# Altium PCB 51main.PcbDoc
Units mil, origin at the board's own origin, x right, y up, seen from the top; angles counter-clockwise.
Board outline 3219.18 x 1346.96 mil, 2 copper layers (Top Layer, Bottom Layer); 46 components, 33 nets, 187 pads, 75 vias.
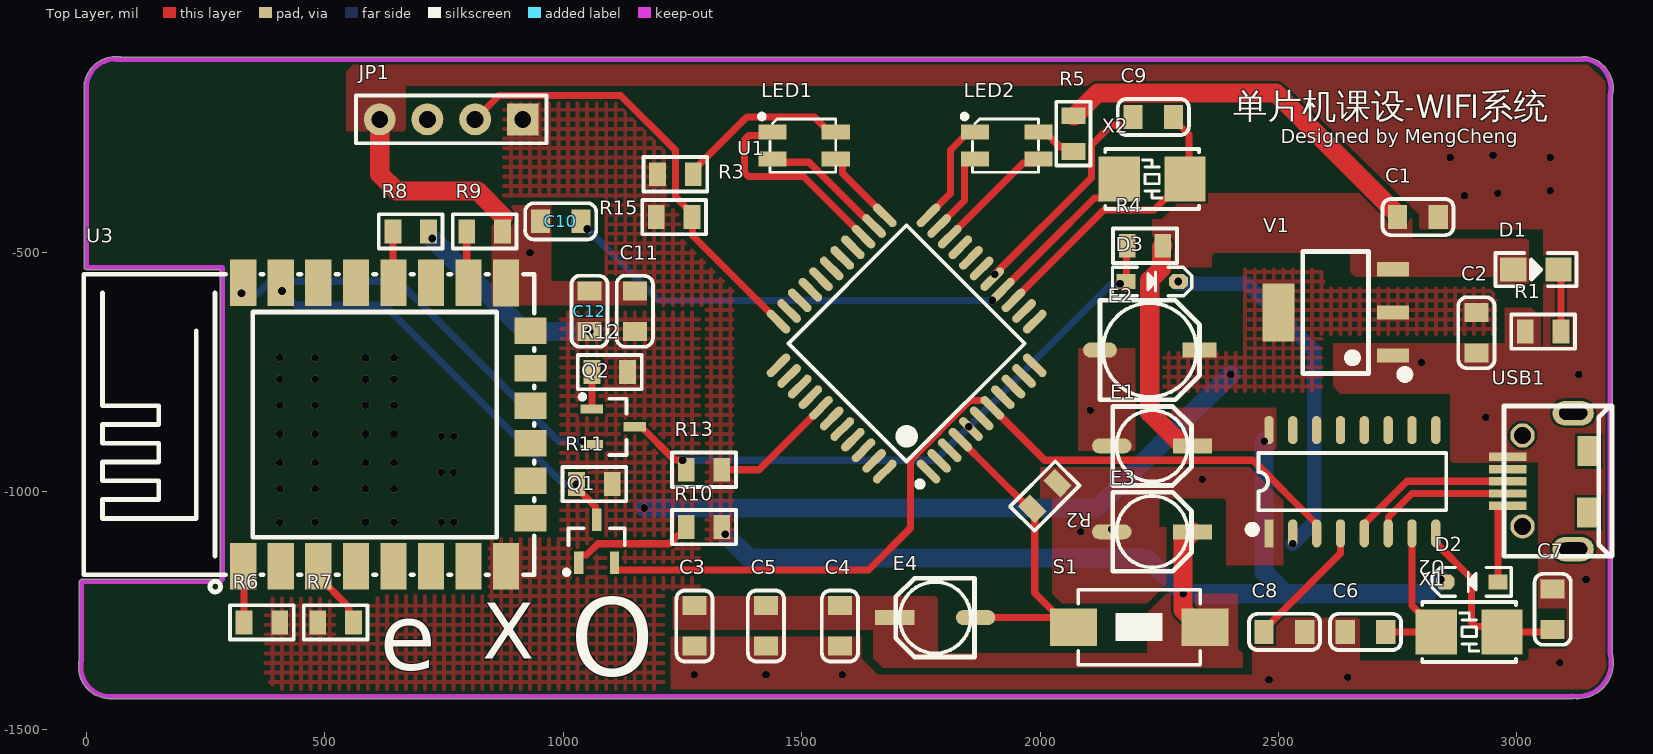
[diagram p0: Top Layer view]
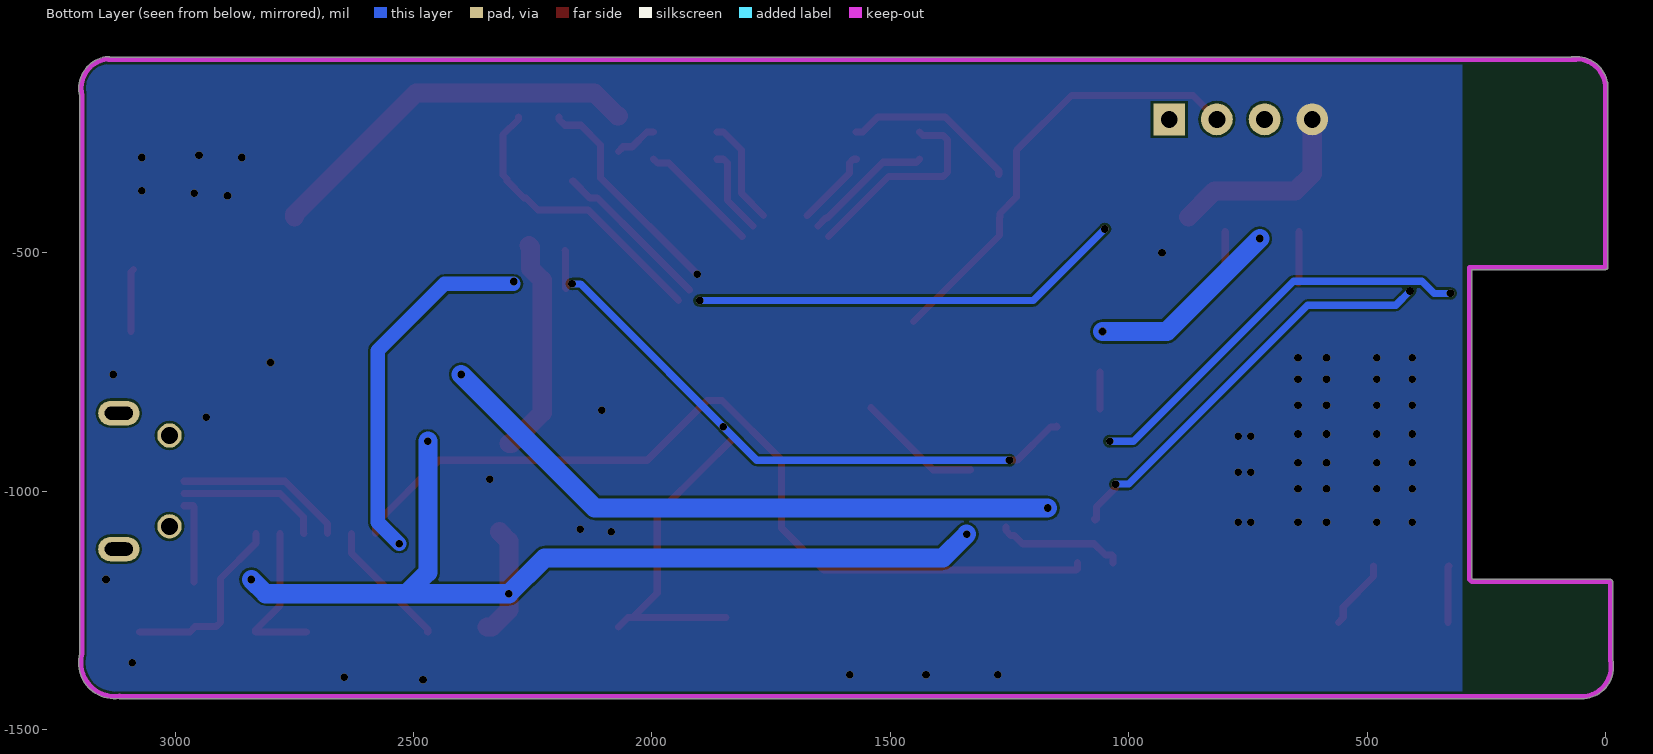
[diagram p1: Bottom Layer view, seen from below]

## Layer stack, top to bottom
Top Solder: solder mask 0.4, Solder Resist, Dk 3.5
Top Layer: signal copper 1.4
Dielectric 1: dielectric 12.6, FR-4, Dk 4.8
Bottom Layer: signal copper 1.4
Bottom Solder: solder mask 0.4, Solder Resist, Dk 3.5

## Board outline
-14.88,-1352.76 -14.88,-1351.16 cw(c-10,-1350) -15.01,-1350 -15.01,-1190 cw(c-10,-1190) -10,-1184.99 277.92,-1184.99 279.99,-1182.92 279.99,-535.01 0,-535.01 cw(c0,-530) -5.01,-530 -5.01,-150 cw(c0,-150) -5,-149.58 cw(c61.63,-155.14) 60.08,-88.29 cw(c60.19,-93.31) 60.19,-88.29 68.31,-88.29 cw(c68.31,-93.31) 72.06,-89.98 3136.58,-89.98 cw(c3140.27,-93.38) 3140.7,-88.38 cw(c3135,-155) 3201.86,-155 cw(c3135,-155) 3200.02,-170.61 3200.02,-1340.36 cw(c3126.75,-1359.52) 3202.48,-1359.52 cw(c3126.75,-1359.52) 3116.96,-1434.61 cw(c3115,-1430) 3115,-1435.01 45,-1435.01 cw(c45,-1430) 44.58,-1435 cw(c50.14,-1368.37)

## Design rules (kind name [scope] priority, off if disabled: settings)
Clearance [All] p1: gap=5 ignorepadtopadclearanceinfootprint=FALSE
PlaneConnect [All] p1: planeconnectstyle=Direct reliefexpansion=20 reliefentries=4 reliefconductorwidth=10 reliefairgap=10
PolygonConnect [All] p1: connectstyle=Direct reliefconductorwidth=10 reliefentries=4 polygonreliefangle="90 Angle" airgapwidth=10
RoutingVias [All] p1: holewidth=28 width=50 viastyle="Through Hole" minholewidth=28 minwidth=50 maxholewidth=28 maxwidth=50
SolderMaskExpansion [All] p1: expansion=4 istentingtop=FALSE
Width GND [InNet('GND')] p1: maxlimit=45 minlimit=10 preferedwidth=40
Width VCC_3V3 [InNet('+3.3')] p2: maxlimit=40 minlimit=10 preferedwidth=25
Width VCC_5V [InNet('+5')] p3: maxlimit=40 minlimit=10 preferedwidth=30
Width signal [All] p4: maxlimit=30 minlimit=10 preferedwidth=15
29 further rules are at their usual default settings.

## Components (designator, comment, footprint, x,y, rotation, side; value= is the part's Value field where it differs from the comment)
C1 "100nF" 0805C 2835,-425 r180 top
C2 "100nF" 0805C 2915,-710 r90 top
C3 "100nF" 0805C 1275,-1325 r90 top
C4 "100nF" 0805C 1580,-1325 r90 top
C5 "100nF" 0805C 1425,-1325 r90 top
C6 "22PF" 0805C 2725,-1295 r180 top
C7 "22PF" 0805C 3075,-1290 r90 top
C8 "10nF" 0805C 2555,-1295 r180 top
C9 "22PF" 0805C 2195,-215 r0 top
C10 "22PF" 0805C 952.07,-433.77 r0 top
C11 "100nF" 0805C 1150,-580 r270 top
C12 "10uF" 0805C 1055,-580 r270 top
D1 "LED" 0805D 3040,-535 r0 top
D2 "B5919WS" SOD-323 2905,-1190 r180 top
D3 "1N4148" SOD-323 2235,-560 r0 top
E1 "10uF/10V" "CM B(4*5.4)" 2235,-905 r0 top
E2 "100uF/10V" "CM C(5*5.4)" 2230,-703.74 r0 top
E3 "10uF/10V" "CM B(4*5.4)" 2235,-1085 r0 top
E4 "10uF/10V" "CM B(4*5.4)" 1780,-1265 r180 top
JP1 "HDR-1X4" HDR2.54-M-LI-4P 765,-220 r180 top
LED1 "RGB-3528" "LED 3528-4Pin" 1505,-275 r0 top
LED2 "RGB-3528" "LED 3528-4Pin" 1930,-275 r0 top
Q1 "SS8050" SOT23-3N 1070,-1105 r0 top
Q2 "SS8050" SOT23-3N 1105,-865 r270 top
R1 "1K" "R 0805_L" 3055,-665 r0 top
R2 "1K" "R 0805_L" 2010,-1010 r225 top
R3 "1K" "R 0805_L" 1235,-335 r0 top
R4 "10K" "R 0805_L" 2220,-485 r180 top
R5 "1K" "R 0805_L" 2070,-250 r270 top
R6 "10K" "R 0805_L" 367.6,-1275 r0 top
R7 "10K" "R 0805_L" 522.6,-1275 r180 top
R8 "10K" "R 0805_L" 680,-455 r180 top
R9 "10K" "R 0805_L" 835,-455 r0 top
R10 "2K" "R 0805_L" 1295,-1075 r180 top
R11 "4.7K" "R 0805_L" 1065,-985 r180 top
R12 "2K" "R 0805_L" 1097.4,-750 r180 top
R13 "4.7K" "R 0805_L" 1295,-955 r180 top
R15 "5K" "R 0805_L" 1232.6,-425 r180 top
S1 "SW-PB" SW_PB2_A1 2210,-1285 r90 top
U1 "STC89C52RC-40I_C8707" "PCBComponent_1 - duplicate" 1720,-690 r135 top
U2 "CH340G" sop16_L 2655,-980 r90 top
U3 "ESP-12F(ESP8266MOD)" WIFIM-SMD_ESP-12F-ESP8266MOD 630,-860 r0 top
USB1 "" MICRO-USB-1 3073.04,-978.74 r0 top
V1 "AMS1117-3V3" SOT223_L 2620,-625 r90 top
X1 "12MHz" "OSC 5032-2P" 2900,-1295 r180 top
X2 "11.0592MHz" "OSC 5032-2P" 2235,-345 r0 top

## Footprints (in the part's own frame and the unit in brackets; to place one, negate y for a bottom-side part, rotate by r counter-clockwise, add the part's x,y. Pads: shape width x height; smd on the part's side, far side on the other; paste and mask are expansions set on the pad)
0805C [mil] "淘宝ID:黄晶宝石"
  rect 40x50 smd: 1(0,0) 2(85,0)
  silkscreen extent -32,-38 117,38, body extent 3,-25 82,25, height 30
0805D [mm]
  rect 1.4x1.27 smd: 1(-1.205,0) 2(1.205,0)
  silkscreen extent -2.16,-0.89 2.16,0.89, body extent -1.02,-0.64 0.98,0.62, height 0.8
"CM B(4*5.4)" [mm] "贴片电解电容，直径4mm，高5.4mm          淘宝ID:黄晶宝石"
  rect 2.1x0.8 smd: 1(2.15,0)
  oval 2.1x0.8 smd: 2(-2.15,0)
  silkscreen extent -2.1,-2.1 2.1,2.1, body extent -2.3,-2.12 2.3,2.18, height 5.4
"CM C(5*5.4)" [mm] "贴片电解电容，直径5mm，高5.4mm            淘宝ID:黄晶宝石"
  rect 1.8x0.8 smd: 1(2.65,0)
  oval 1.8x0.8 smd: 2(-2.65,0)
  silkscreen extent -2.65,-2.65 2.65,2.65, body extent -2.95,-2.65 2.95,2.65, height 5.4
HDR2.54-M-LI-4P [mm] "排母，4脚  淘宝ID:黄晶宝石   店铺网址:https://shop463601444.taobao.com"
  rect 1.7x1.7 hole 0.9: 1(-3.81,0)
  round 1.7 hole 0.9: 2(-1.27,0) 3(1.27,0) 4(3.81,0)
  silkscreen extent -5.08,-1.27 5.08,1.27, body extent -5.08,-1.27 5.08,1.27, height 8.5
"LED 3528-4Pin" [mm] "4脚，3528LED                             淘宝ID:黄晶宝石"
  rect 1.5x0.8 smd: 1(-1.689,0.725) 2(-1.689,-0.725) 3(1.689,-0.725) 4(1.689,0.725)
  silkscreen extent -2.37,-1.42 1.69,1.68, body extent -1.75,-1.4 1.75,1.4, height 1.95
MICRO-USB-1 [mm]
  round 1.3 hole 0.9: 0(-1.556,-2.41) 0(-1.556,2.431)
  oval 2.2x1.3 hole 0.7 slot 1.5 at 0 deg: 0(1.144,-3.619) 0(1.144,3.619)
  rect 1.2x1.6 smd: 0(1.955,-1.683) 0(1.971,1.596)
  rect 2x0.45 smd: 1(-2.341,-1.31) 2(-2.341,-0.66) 3(-2.341,-0.01) 4(-2.341,0.64) 5(-2.341,1.29)
  silkscreen extent -2.55,-4 3.21,4
"OSC 5032-2P" [mm] "5mm*3.2mm*0.8mm(长*宽*高)                  淘宝ID:黄晶宝石"
  rect 2.2x2.4 smd: 1(-1.75,0) 2(1.75,0)
  silkscreen extent -2.5,-1.6 2.5,1.6, body extent -2.5,-1.6 2.5,1.6, height 0.86
"PCBComponent_1 - duplicate" [mm]
  oval 1.6x0.45 smd: 1(-5.649,4.001) 2(-5.649,3.2) 3(-5.649,2.4) 4(-5.649,1.6) 5(-5.649,0.8) 6(-5.649,0) 7(-5.649,-0.8) 8(-5.649,-1.6) 9(-5.649,-2.4) 10(-5.649,-3.2) 11(-5.649,-4.001) 23(5.649,-4.001) 24(5.649,-3.2) 25(5.649,-2.4) 26(5.649,-1.6) 27(5.649,-0.8) 28(5.649,0) 29(5.649,0.8) 30(5.649,1.6) 31(5.649,2.4) 32(5.649,3.2) 33(5.649,4.001)
  oval 0.45x1.6 smd: 12(-4.001,-5.649) 13(-3.2,-5.649) 14(-2.4,-5.649) 15(-1.6,-5.649) 16(-0.8,-5.649) 17(0,-5.649) 18(0.8,-5.649) 19(1.6,-5.649) 20(2.4,-5.649) 21(3.2,-5.649) 22(4.001,-5.649) 34(4.001,5.649) 35(3.2,5.649) 36(2.4,5.649) 37(1.6,5.649) 38(0.8,5.649) 39(0,5.649) 40(-0.8,5.649) 41(-1.6,5.649) 42(-2.4,5.649) 43(-3.2,5.649) 44(-4.001,5.649)
  silkscreen extent -5.95,-4.45 4.45,4.95
"R 0805_L" [mil] "1/8W贴片电阻"
  rect 35x50 smd: 1(-37.4,0) 2(37.4,0)
  silkscreen extent -67,-36 67,36, body extent -39,-25 39,25, height 20
SOD-323 [mm] "1.8x1.3X0.9mm（长宽高，不包括引脚）"
  rect 1x0.8 smd: 1(-1.4,0)
  oct 1x0.8 smd: 2(1.4,0)
  silkscreen extent -2.11,-0.76 2.11,0.76, body extent -1.34,-0.63 1.31,0.67, height 1
sop16_L [mm] "10.3*6.2*1.8mm（长宽高）封装库来自淘宝卖家 ID：黄晶宝石"
  rect 1.5x0.5 smd: 1(-2.752,4.445)
  oval 1.5x0.5 smd: 2(-2.752,3.175) 3(-2.752,1.905) 4(-2.752,0.635) 5(-2.752,-0.635) 6(-2.752,-1.905) 7(-2.752,-3.175) 8(-2.752,-4.445) 9(2.752,-4.445) 10(2.752,-3.175) 11(2.752,-1.905) 12(2.752,-0.635) 13(2.752,0.635) 14(2.752,1.905) 15(2.752,3.175) 16(2.752,4.445)
  silkscreen extent -2.69,-5 1.52,5.49, body extent -3,-5 3,5, height 1.9
SOT23-3N [mm] "3x1.3x1mm(长宽高)    封装库来自淘宝卖家 ID：黄晶宝石"
  rect 0.5x1.2 smd: 1(-0.95,-1.143) 2(0.95,-1.143) 3(0,1.143)
  silkscreen extent -1.72,-1.78 1.5,0.7, body extent -1.5,-1.2 1.5,1.2, height 1.05
SOT223_L [mm] "6.4x7x1.6mm(长宽高)"
  rect 0.75x1.7 smd: 1(-2.3,-3.048) 2(0,-3.048) 3(2.3,-3.048)
  rect 3.1x1.7 smd: 2(0,3.048)
  silkscreen extent -3.5,-3.88 3.25,1.75, body extent -3.25,-3.51 3.25,3.51, height 1.65
SW_PB2_A1 [mm]
  rect 2x2.5 smd: 1(0,3.556) 2(0,-3.444)
  silkscreen extent -2,-3.19 2,3.31, body extent -1.93,-3.94 1.92,3.95, height 2.5
WIFIM-SMD_ESP-12F-ESP8266MOD [mm]
  rect 1.4x2.5 smd: 1(-7.651,-7.551) 2(-5.651,-7.551) 3(-3.651,-7.551) 4(-1.651,-7.551) 5(0.349,-7.551) 6(2.349,-7.551) 7(4.349,-7.551) 8(6.349,-7.551) 9(6.349,7.549) 10(4.349,7.55) 11(2.349,7.551) 12(0.349,7.551) 13(-1.651,7.55) 14(-3.651,7.551) 15(-5.651,7.55) 16(-7.651,7.551)
  rect 1.7x1.4 smd: 17(7.65,-5) 18(7.649,-3.002) 19(7.649,-1.003) 20(7.649,0.998) 21(7.649,2.997) 22(7.65,4.997)
  silkscreen extent -16.15,-8.92 7.85,8

## Part data
C1 C2 C3 C4 C5 C6 C7 C8 C9 C10 C11 C12: library part CAP, "Capacitor"
D1: "Led"
D2: library part 1N5819, "肖特基二极管", BOM名称=肖特基二极管, 属性=40V/2A, 欢迎光临=https://shop463601444.taobao.com, 淘宝ID="封装库来自淘宝 ID：黄晶宝石"
D3: "开关二极管", BOM名称=高速开关二极管, 欢迎光临=https://shop463601444.taobao.com, 淘宝ID="封装库来自淘宝 ID：黄晶宝石"
E1 E2 E3 E4: library part CE_SMD, "贴片电解电容", BOM名称=贴片电解电容, 版权归属="封装库来自淘宝 ID：黄晶宝石", 联系售后=https://shop463601444.taobao.com
JP1: library part "Header 4", "4P接插件", BOM名称=4P接插件, 学习资源=https://shop463601444.taobao.com, 版权归属="封装库来自淘宝 ID：黄晶宝石"
LED1 LED2: library part "LED-RGB 3528", "3528三基色LED", BOM名称=三基色LED, 学习资源=https://shop463601444.taobao.com, 封装库来自淘宝卖家 ID：黄晶宝石=其他店铺购入均为盗版，不享受售后技术支持服务，请立即申请退款, 版权归属="封装库来自淘宝 ID：黄晶宝石"
Q1 Q2: library part 8050-SMD, "高频放大-NPN型", BOM名称=高频放大-NPN型, 属性="40V 1.5A 1W 100MHZ", 版权归属="封装库来自淘宝 ID：黄晶宝石", 联系售后=https://shop463601444.taobao.com
R1 R2 R3 R4 R5 R6 R7 R8 R9 R10 R11 R12 R13 R15: library part R, "贴片电阻", BOM名称=贴片电阻, 封装库来自淘宝卖家 ID：黄晶宝石=其他店铺购入均为盗版，不享受售后技术支持服务，请立即申请退款, 版权归属="来自淘宝 ID：黄晶宝石", 联系售后=https://shop463601444.taobao.com
S1: "微动开关", LatestRevisionDate=17-Jul-2002, LatestRevisionNote="Re-released for DXP Platform.", PackageReference=SPST-2, Published=24-Mar-1999, Publisher="Altium Limited"
U3: BOM_JLCPCB Part Class="Extended Part", BOM_Manufacturer=Ai-Thinker, BOM_Manufacturer Part=ESP-12F(ESP8266MOD), BOM_Supplier=LCSC, BOM_Supplier Part=C82891, spicePre=U, spiceSymbolName=ESP-12F(ESP8266MOD)
USB1: library part U-F-M5DS-Y-7
V1: library part AMS1117, "三端稳压芯片", BOM名称=稳压芯片, 欢迎光临淘宝店铺=https://shop463601444.taobao.com, 淘宝ID="封装库来自淘宝 ID：黄晶宝石"
X1 X2: library part XTAL
U2: 唯一出售店铺网址=https://shop463601444.taobao.com, 技术支持，联系售后="封装库来自淘宝卖家 ID：黄晶宝石"

## Via types
v1: diameter 16, hole 16, Top Layer to Bottom Layer, 75 vias

## Nets (pads, with @x,y where several pads share a name; then routed paths per layer and width w, separated by ;. In a path a pad name is that pad's centre, name@x,y a point inside that pad or via, vN(x,y) a via of type N, cw(c..) or ccw(c..) an arc to the next point about the centre after c; other vN are vias at no path point)
+3.3: C2.2 C11.2 C12.2 E2.1 R6.2 R7.2 R8.1 R11.1 R12.1 U3.8 V1.2 | length 1756.8
  Bottom Layer w40: v1(725,-470) 920,-665 v1(1055,-665) ; v1(1170,-1035) 2120,-1035 v1(2400,-755)
+5: C1.2 C3.2 C4.2 C5.2 D1.1 D2.2 E1.1 E3.1 E4.1 JP1.1 R3.1 R4.1 R5.1 R10.1 R13.1 R15.2 S1.2 U1.38 U2.16 V1.3 | length 3666.3
  Top Layer w15: R13.1 1410.46,-955 U1.38
  Top Layer w40: R5.1 2072.5,-212.6 2120.09,-165 2495,-165 2750,-420 C1.2 ; R4.1 2254.9,-487.5 2254.9,-532.3 2230,-557.2 2230,-835.28 2294.72,-900 E1.1@2300,-900 ; E3.1 2300,-1104.65 2300,-1249.25 2335.75,-1285 S1.2
  Bottom Layer w40: v1(1340,-1090) 1390,-1140 2225,-1140 v1(2300,-1215) 2515,-1215 ; v1(2470,-895) 2470,-1170 2515,-1215 ; v1(2840,-1185) 2810,-1215 2515,-1215
GND: C1.1 C2.1 C3.1 C4.1 C5.1 C6.2 C7.2 C8.1 C9.1 C10.1 C11.1 C12.1 E1.2 E2.2 E3.2 JP1.4 R1.1 R2.1 R9.2 U1.16 U2.1 U3.9 USB1.5 V1.1 | length 882.2
  Top Layer w15: v1(1905,-545) 2107.5,-342.5 2107.5,-273.79 2148.78,-232.5 2182.5,-232.5 2195,-220 C9.1
  Top Layer w40: JP1.4 615,-335 650,-370 820,-370 875,-425
  other v1: 2480,-1395 2645,-1390 1275,-1385 1425,-1385 1585,-1385 3090,-1360 3145,-1185 2085,-1085 2150,-1080 405,-1065 480,-1065 585,-1065 645,-1065 744,-1065 770,-1065 405,-995 480,-995 585,-995 645,-995 2340,-975 744,-960 770,-960 405,-940 480,-940 585,-940 645,-940 744,-885 770,-885 405,-880 480,-880 585,-880 645,-880 2935,-845 2105,-830 405,-820 480,-820 585,-820 645,-820 405,-765 480,-765 585,-765 645,-765 3130,-755 2800,-730 405,-720 480,-720 585,-720 645,-720 930,-500 2890,-380 2960,-375 3070,-370 2860,-300 3070,-300 2950,-295
GPIO0: R8.2 U3.12 | length 108.2
  Top Layer w15: R8.2 642.6,-561.57 U3.12
NetC6_1: C6.1 U2.7 X1.2 | length 333.9
  Top Layer w15: C6.1 X1.2 2831.1,-1291.06 2780,-1239.96 U2.7
NetC7_1: C7.1 U2.8 X1.1 | length 396
  Top Layer w15: U2.8 2830,-1108.03 2905,-1183.03 2905,-1275 2913.79,-1283.79 2957.68,-1283.79 X1.1 C7.1@3075,-1295
NetC8_2: C8.2 U2.4 | length 272.9
  Top Layer w15: C8.2 2470,-1290 2630,-1130 U2.4
NetC9_2: C9.2 U1.14 X2.2 | length 610.2
  Top Layer w15: U1.14 2133.64,-410 2238.9,-410 2264.15,-384.74 2268.09,-384.74 X2.2@2303.9,-348.94 ; C9.2 2280,-220 2312,-252 2312,-336.9 X2.2
NetC10_2: C10.2 U1.15 X2.1 | length 1251
  Top Layer w15: U1.15 2012.96,-486.14 2114.35,-384.74 2130.3,-384.74 X2.1@2166.1,-348.94
  Bottom Layer w15: v1(1050,-450) 1200,-600 v1(1900,-600)
NetD1_2: D1.2 R1.2 | length 132.1
  Top Layer w15: D1.2 3092.4,-539.96 R1.2
NetD2_1: D2.1 USB1.1 | length 179.6
  Top Layer w15: D2.1 2960.12,-1031.69 2961.48,-1030.33 USB1.1
NetD3_2: D3.2 U2.2 | length 766.4
  Bottom Layer w30: v1@2290.24,-565 2435,-565 2575,-705 2575,-1065 v1(2530,-1110)
  other v1: 2290.12,-560
NetE4_2: E4.2 R2.2 S1.1 U1.4 | length 696.1
  Top Layer w15: U1.4 1895.1,-954.2 1977.35,-1036.44 R2.2 1988.86,-1041.75 1988.86,-1213.7 S1.1@2040.16,-1265 ; E4.2@1844.96,-1265 S1.1@2040.16,-1265 ; S1.1 2050,-1265 S1.1@2040.16,-1265
NetLED1_1: LED1.1 U1.25 | length 439.1
  Top Layer w15: LED1.1 1431.12,-253.84 1388.79,-253.84 1380,-262.63 1380,-331.21 1388.79,-340 1503.64,-340 U1.25
NetLED1_2: LED1.2 U1.24 | length 271.4
  Top Layer w15: LED1.2 1444.96,-310 1515,-310 1632.12,-427.12 1635.31,-427.12 U1.24
NetLED1_3: LED1.3 U1.23 | length 163.8
  Top Layer w15: LED1.3 1577.5,-303.54 1585.74,-311.79 1585.74,-333 U1.23
NetLED1_4: LED1.4 R3.2 | length 366.2
  Top Layer w15: R3.2 1272.4,-327.5 1384.9,-215 1526.26,-215 1557.72,-246.46 LED1.4
NetLED2_1: LED2.1 U1.22 | length 223.4
  Top Layer w15: U1.22 1812.13,-375.13 1812.13,-284.05 1849.72,-246.46 LED2.1
NetLED2_2: LED2.2 U1.21 | length 179.4
  Top Layer w15: U1.21 1841.47,-390.34 1841.47,-311.79 1849.72,-303.54 LED2.2
NetLED2_3: LED2.3 U1.20 | length 253.3
  Top Layer w15: U1.20 1964.57,-311.79 1988.25,-311.79 LED2.3
NetLED2_4: LED2.4 R5.2 | length 90.5
  Top Layer w15: LED2.4 2010.28,-246.46 2041.22,-277.4 2060,-277.4 R5.2
NetQ1_1: Q1.1 R10.2 | length 268.5
  Top Layer w15: Q1.1 1032.6,-1136.22 1034.94,-1133.88 1048.72,-1133.88 1072.6,-1110 1222.6,-1110 1240.1,-1092.5 1247.6,-1092.5 1257.6,-1082.5 R10.2
NetQ2_1: Q2.1 R12.2 | length 77.6
  Top Layer w15: Q2.1 R12.2
NetR7_1: R7.1 U3.3 | length 148.2
  Top Layer w15: U3.3 486.28,-1178.96 550,-1242.68 550,-1265 R7.1
NetR9_1: R9.1 U3.10 | length 109.3
  Top Layer w15: R9.1 797.6,-559.1 U3.10
NetU2_5: U2.5 USB1.3 | length 357.6
  Top Layer w15: U2.5 2680,-1068.66 2769.51,-979.15 USB1.3
NetU2_6: U2.6 USB1.2 | length 305
  Top Layer w15: U2.6 2730.9,-1087.45 2730.9,-1054.1 2780.26,-1004.74 USB1.2
P04: JP1.2 R15.1 U1.33 | length 937.1
  Top Layer w15: JP1.2 865,-170 1120,-170 1235,-285 1235,-382.5 1270,-417.5 R15.1 1270.93,-425.93 1270.93,-463.71 U1.33@1451.33,-644.11
RST: R6.1 U3.1 | length 118.3
  Top Layer w15: U3.1 330.2,-1158.7 R6.1
RXD: D3.1 Q2.3 R4.2 R13.2 U1.5 | length 1286.1
  Top Layer w15: Q2.3@1151.2,-863.8 Q2.3 1163.78,-865 1233.59,-934.81 1249.81,-934.81 v1(1250,-935) ; D3.1@2177.5,-567.5 D3.1@2180,-565 ; D3.1@2179.88,-575 2181.24,-573.64 2181.24,-565 2181.24,-496.36 R4.2@2182.6,-495
  Bottom Layer w15: v1(1250,-935) 1780,-935 2150,-565 v1(2167.48,-565)
  other v1: 1850,-865
RXD_3.3: Q1.3 R11.2 U3.15 | length 879.8
  Top Layer w15: v1(1027.6,-985) 1027.6,-992.5 1067.66,-1032.55 1067.66,-1057.66 Q1.3 Q1.3@1071.3,-1058.7
  Bottom Layer w15: v1(410,-580) 440,-610 625,-610 1000,-985 v1(1027.6,-985)
TXD: Q1.2 U1.7 U2.3 | length 1844.1
  Top Layer w15: Q1.2 1107.4,-1162.66 1109.74,-1165 1640,-1165 1728.53,-1076.47 1728.53,-933.78 1852.8,-809.5 1884.05,-809.5 U1.7 2009.55,-935 2446.34,-935 2580,-1068.66 U2.3
TXD_3.3: Q2.2 U3.16 | length 864.5
  Bottom Layer w15: v1(325,-585) 359.13,-585 384.63,-559.5 654.5,-559.5 990,-895 v1(1040,-895)
pads on no net: JP1.3 U1.1 U1.2 U1.3 U1.6 U1.8 U1.9 U1.10 U1.11 U1.12 U1.13 U1.17 U1.18 U1.19 U1.26 U1.27 U1.28 U1.29 U1.30 U1.31 U1.32 U1.34 U1.35 U1.36 U1.37 U1.39 U1.40 U1.41 U1.42 U1.43 U1.44 U2.9 U2.10 U2.11 U2.12 U2.13 U2.14 U2.15 U3.2 U3.4 U3.5 U3.6 U3.7 U3.11 U3.13 U3.14 U3.17 U3.18 U3.19 U3.20 U3.21 U3.22 USB1.0 USB1.4

## Polygon pours and split planes (outlines as drawn)
+5 on Top Layer "+5_L01_P027" (solid, pour order 27): 2235,-480 2235,-430 2255,-430 2310,-375 2780,-375 2780,-480
+3.3 on Top Layer "+3.3_L01_P018" (hatched 90Degree grid 20 track 8, pour order 18): 375,-1225 505,-1225 520,-1240 520,-1310 595,-1310 595,-1240 615,-1220 845,-1220 845,-1180 1220,-1180 1210,-1190 1210,-1415 400,-1415 375,-1390
GND on Top Layer "GND_L01_P004" (solid, pour order 4): 1175,-560 1175,-610 850,-610 850,-400 975,-400 975,-560
+3.3 on Top Layer "+3.3_L01_P002" (hatched 90Degree grid 20 track 8, pour order 2): 995,-625 1285,-625 1285,-1205 845,-1205 845,-1100 995,-1100
+5 on Top Layer "+5_L01_P010" (solid, pour order 10): 2235,-530 2360,-530 2360,-505 2365,-500 2650,-500 2650,-540 2660,-550 2950,-550 2950,-565 2955,-570 2960,-565 3025,-565 3025,-475 3020,-470 2235,-470
GND on Top Layer "GND_L01_P024" (solid, pour order 24): 545,-245 665,-245 670,-240 670,-150 3195,-150 3150,-105 560,-105 545,-120
GND on Top Layer "GND_L01_P023" (solid, pour order 23): 1960,-960
GND on Top Layer "GND_L01_P022" (solid, pour order 22): 2025,-995 2025,-1215 2045,-1235 2225,-1235 2265,-1195 2265,-1075 2250,-1075 2250,-995
GND on Top Layer "GND_L01_P021" (solid, pour order 21): 2513.02,-146.98 2795,-419.5 2795,-450 3055,-450 3055,-715 3060,-720 3185,-720 3185,-146.98
GND on Top Layer "GND_L01_P017" (solid, pour order 17): 1225,-1305 1625,-1305 1625,-1350 1660,-1385 2525,-1385 2525,-1360 2527.5,-1357.5 3195,-1365 3160,-1415 1225,-1415
GND on Top Layer "GND_L01_P016" (solid, pour order 16): 2000,-950 2440,-950 2510,-1020 2510,-1155 2390,-1155 2390,-1020 2385,-1015 2000,-1015
GND on Top Layer "GND_L01_P014" (solid, pour order 14): 2445,-1265 2445,-1385 3180.28,-1385 3190.62,-1374.67 3175,-1320 3165,-1330 3025,-1330 3025,-1350 3020,-1355 2670,-1355 2670,-1270 2665,-1265
GND on Top Layer "GND_L01_P013" (solid, pour order 13): 2860,-935 2865,-940 3045,-940 3045,-1245 3105,-1245 3105,-1340 3120,-1355 3185,-1355 3185,-720 3160,-695 2860,-695
GND on Top Layer "GND_L01_P012" (solid, pour order 12): 2615,-690 2615,-780 2630,-795 3050,-795 3050,-635 3030,-615 2975,-615 2975,-690
+5 on Top Layer "+5_L01_P011" (solid, pour order 11): 2495,-825 2495,-910 2490,-915 2275,-915 2275,-825
+3.3 on Top Layer "+3.3_L01_P009" (hatched 90Degree grid 20 track 8, pour order 9): 2260,-710 2260,-790 2580,-790 2590,-780 2590,-670 2950,-670 2955,-665 2955,-590 2940,-575 2595,-575 2595,-545 2585,-535 2430,-535 2430,-710
+5 on Top Layer "+5_L01_P008" (solid, pour order 8): 1230,-1220 1780,-1220 1785,-1225 1785,-1335 1790,-1340 2225,-1340 2225,-1255 2265,-1215 2415,-1215 2415,-1330 2425,-1340 2425,-1370 1670,-1370 1650,-1350 1650,-1290 1230,-1290
GND on Top Layer "GND_L01_P005" (solid, pour order 5): 2080,-700 2200,-700 2200,-915 2080,-915
+5 on Top Layer "+5_L01_P000" (hatched 90Degree grid 20 track 8, pour order 0): 875,-185 1110,-185 1215,-290 1215,-395 1250,-430 1250,-475 1355,-580 1355,-1110 1300,-1110 1300,-610 1200,-610 1185,-595 1185,-545 1090,-545 1090,-380 875,-380
GND on Bottom Layer "GND_L02_P025" (solid, pour order 25): 300,-100 305,-95 3155,-95 3190,-130 3190,-165 3195,-170 3190,-175 3190,-1385 3155,-1420 300,-1420

## Keep-outs
Keep-Out Layer:
  lines w10: -10,-1350 -10,-1190 280,-1190 285,-1185 285,-530 0,-530 0,-160 0,-150 ; -9.86,-1350.14 -9.86,-1353.37 ccw(c50.14,-1368.37) 45,-1430 70,-1430 3115,-1430 ; 60.18,-93.32 ccw(c61.62,-155.13) 0.01,-149.99 ; 61.62,-93.31 68.31,-93.31 ; 61.89,-95 70,-95 80,-95 3140.14,-95 ; 3116.75,-1429.52 ccw(c3126.75,-1359.52) 3195,-1341.02 3195,-170 ccw(c3135,-155) 3140.27,-93.38 3140.27,-94.86 ; 0,-150 0,-149.99

## Silkscreen, mask and mechanical layers (free items; w line width, h text height)
Top Overlay:
  text "单片机课设-WIFI系统" at 2405.05,-235.55 h90
  text "Designed by MengCheng" at 2505,-280.44 h50
  text "X" at 830,-1390 h200
  text "e" at 615,-1420 h240
  text "O" at 1015,-1440 h280